# KiCad board Motherboard.kicad_pcb (continued)
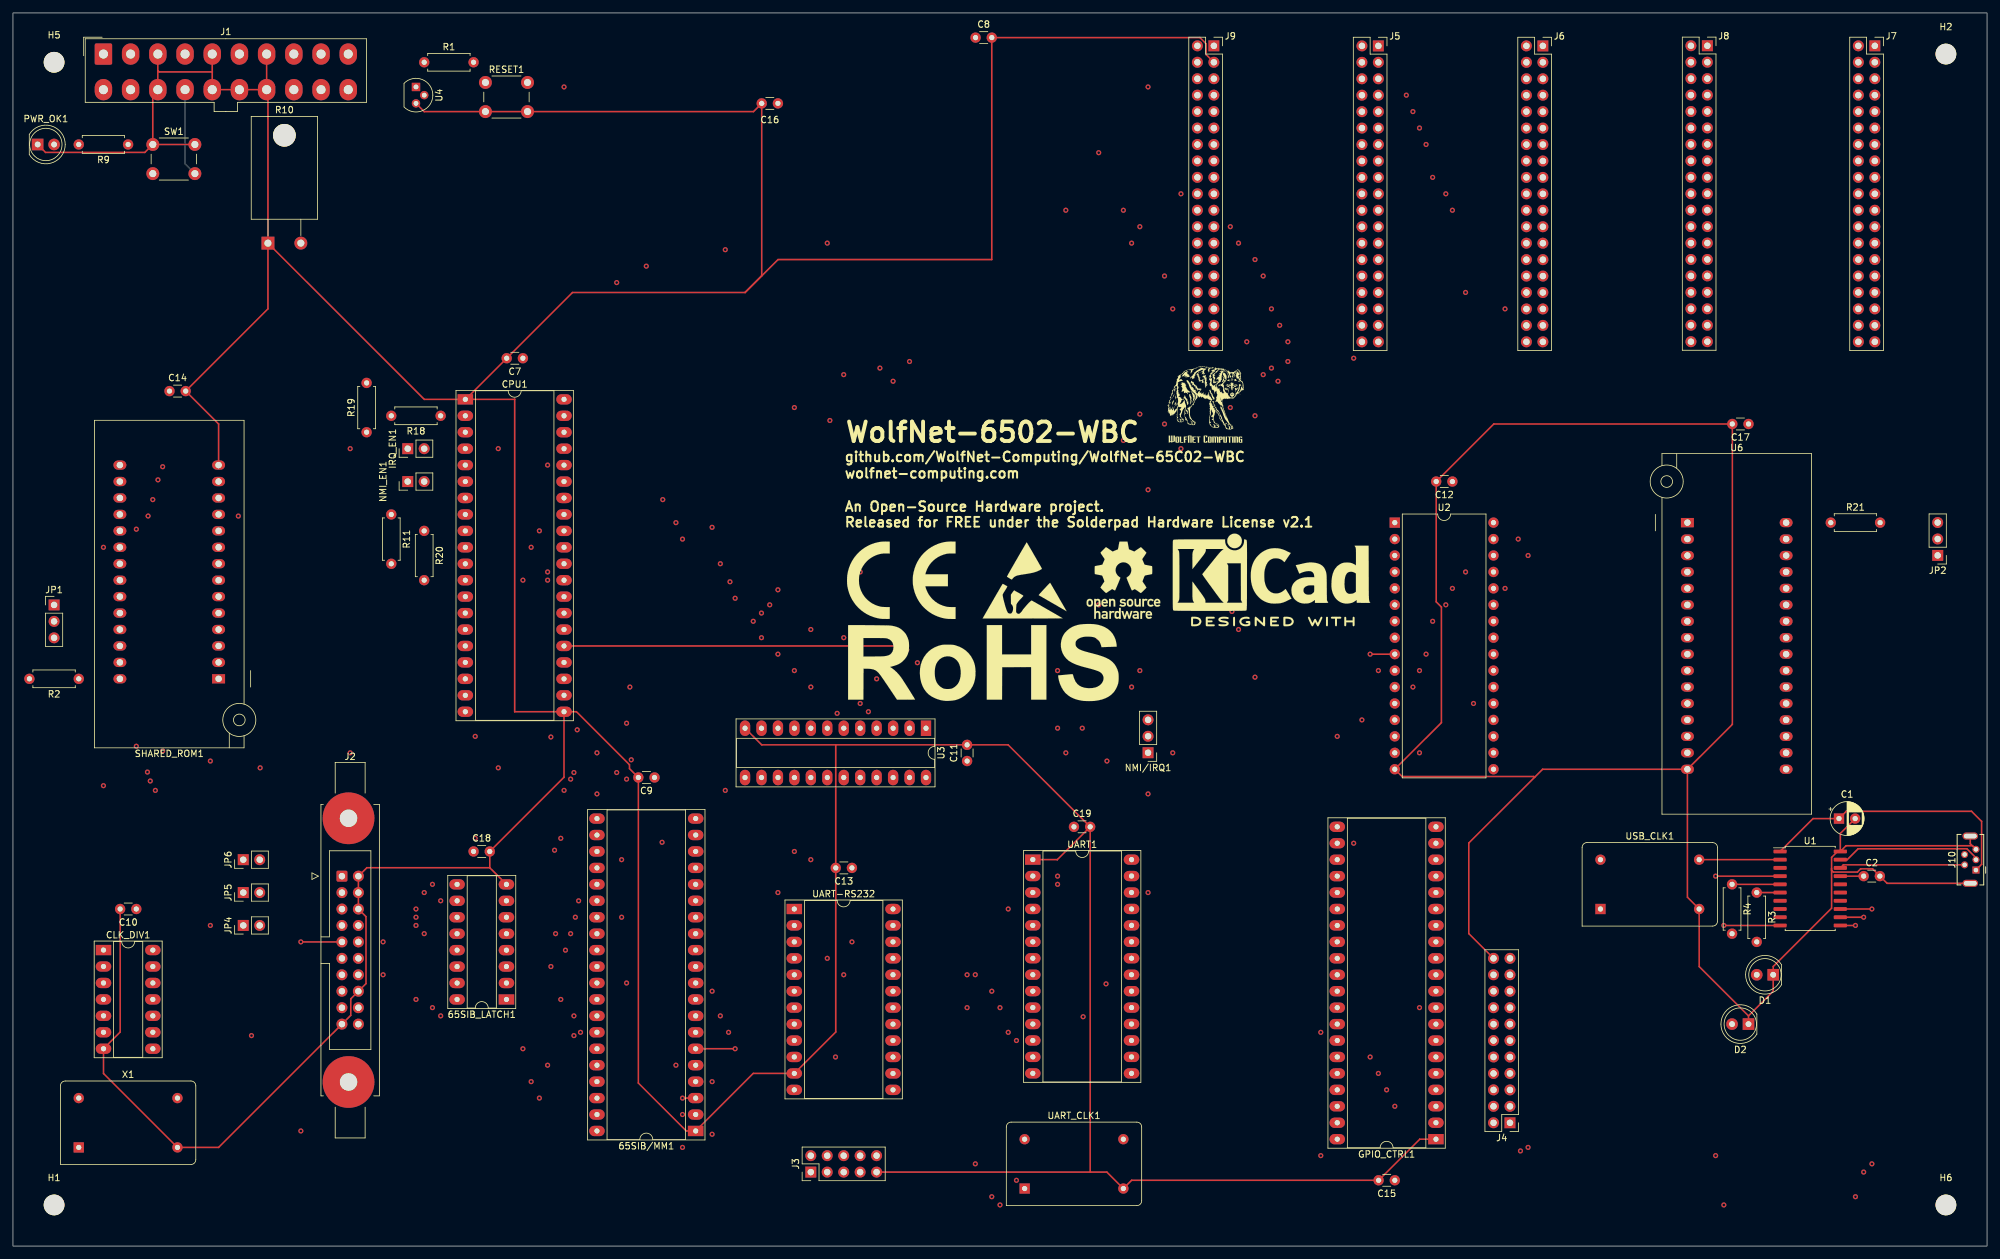
[diagram p0: board, top side]
## Routing (per net, layer and track width the routed paths; a pad name or vN(x,y) marks a point on that pad's centre or on a via; arc(x,y) is an arc through that point) (continued)
ROM3_EN: length 226
  V1.Cu w0.25: v1(109.22,105.41) v1(109.22,35.56)
  H1.Cu w0.25: U6.3 257.27,105.41 215.28,105.41 214.48,106.21 214.48,107.15 213.82,107.8 195.81,107.8 195.41,107.4 111.21,107.4 v1(109.22,105.41) ; v1(109.22,35.56) 65SIB/MM1.8
ROM4_EN: length 226.1
  V1.Cu w0.25: v1(107.95,39.37) 107.95,111.03 v1(107.95,111.04)
  H1.Cu w0.25: U6.2 257.34,110.42 108.56,110.42 v1(107.95,111.04) ; 65SIB/MM1.9 106.68,38.1 v1(107.95,39.37)
Rx_COM: length 236.2
  GND1.Cu w0.25: U1.12 v1(285.75,50.8)
  V1.Cu w0.25: v1(285.75,50.8) v1(285.75,11.43) ; v1(154.94,10.16) v1(154.94,31.75)
  H1.Cu w0.25: v1(154.94,10.16) 156.21,11.43 v1(285.75,11.43) ; v1(154.94,31.75) 154.95,31.76 UART1.12
  H2.Cu w0.25: 120.65,31.75 121.77,30.63 156.34,30.63 UART1.12
Rx_COM_PORT: length 24.7
  V1.Cu w0.25: J3.3 126.9,12.6 126.9,29.11 v1(127,29.21)
  H1.Cu w0.25: v1(127,29.21) UART-RS232.10
SYNC: length 106.2
  V2.Cu w0.25: J7.32 283.68,146.06 260.35,146.06 J8.32 257.8,146.05 234.94,146.05 J6.32 232.42,146.05 209.54,146.05 J5.32 207.02,146.05 184.15,146.05 J9.32
Tx_COM: length 234.1
  GND1.Cu w0.25: U1.10 v1(264.16,49.53)
  V1.Cu w0.25: v1(264.16,49.53) v1(264.16,6.35) ; v1(152.4,6.35) v1(152.4,36.83)
  H1.Cu w0.25: v1(152.4,36.83) 152.4,37.81 152.55,37.95 ; 152.55,37.95 156.36,37.95 UART1.10 ; 152.55,37.95 124.3,37.95 UART-RS232.8 ; v1(264.16,6.35) v1(152.4,6.35)
Tx_COM_PORT: length 45
  V1.Cu w0.25: J3.5 129.54,12.7 v1(129.54,46.99)
  H1.Cu w0.25: v1(129.54,46.99) UART-RS232.3
~{65SIB_IRQ}: length 81.3
  GND1.Cu w0.25: v1(44.45,46.99) 44.45,46.99 J2.9
  V1.Cu w0.25: v1(44.45,46.99) v1(44.45,17.78)
  H1.Cu w0.25: v1(44.45,17.78) 65SIB/MM1.40
~{CONF}: length 64.6
  V1.Cu w0.25: v1(93.98,59.69) v1(93.98,50.8)
  H1.Cu w0.25: J2.1 53.34,59.69 v1(93.98,59.69) ; v1(93.98,50.8) 65SIB/MM1.14
~{CS_65SIB}: length 73.4
  V1.Cu w0.25: U3.17 123.2,59.69 v1(123.19,59.69) ; v1(83.78,48.26) 83.62,48.42 v1(83.62,61.16)
  H1.Cu w0.25: v1(123.19,59.69) 104.69,59.69 103.42,60.96 65SIB/MM1.23 83.82,60.96 v1(83.62,61.16) ; v1(83.78,48.26) 83.78,48.25 65SIB_LATCH1.5
~{CS_GPIO}: length 96.7
  V1.Cu w0.25: U3.16 120.66,60.97 v1(120.65,60.96)
  H1.Cu w0.25: GPIO_CTRL1.23 203.36,58.58 130.97,58.58 128.59,60.96 v1(120.65,60.96)
~{CS_RAM}: length 108.8
  V1.Cu w0.25: v1(225.51,83.82) 226.05,83.82 U2.22 ; U3.20 132.08,73.65 v1(132.08,82.55)
  H1.Cu w0.25: v1(132.08,82.55) 224.24,82.55 v1(225.51,83.82)
~{CS_SHARED}: length 151.9
  V1.Cu w0.25: v1(13.97,71.12) v1(13.97,107.95)
  H1.Cu w0.25: v1(13.97,71.12) 111.76,71.12 112.02,70.86 124.21,70.86 U3.18 ; v1(13.97,107.95) SHARED_ROM1.20
~{CS_UART}: length 84
  V1.Cu w0.25: 118.11,72.38 118.11,54.62 v1(118.11,54.61)
  H1.Cu w0.25: v1(118.11,54.61) 118.12,54.62 UART1.3 144.76,41.91 UART-RS232.20
~{CTS_COM_PORT}: length 35.6
  V1.Cu w0.25: J3.6 128.26,41.91 v1(128.27,41.91)
  H1.Cu w0.25: v1(128.27,41.91) UART-RS232.5
~{CTS_COM}: length 253.4
  GND1.Cu w0.25: v1(284.48,49.53) U1.11
  V1.Cu w0.25: v1(151.13,39.37) v1(151.13,7.62) ; v1(284.48,7.62) v1(284.48,49.53)
  H1.Cu w0.25: v1(151.13,7.62) v1(284.48,7.62) ; v1(151.13,39.37) 151.14,39.38 UART1.9 156.36,40.49 121.76,40.49 UART-RS232.6
~{IRQ_DECIDE}: length 43.2
  V1.Cu w0.25: GPIO_CTRL1.21 v1(204.47,78.74)
  H1.Cu w0.25: v1(204.47,78.74) 204.45,78.75 NMI/IRQ1.2
~{IRQ}: length 396
  V1.Cu w0.25: v1(179.07,76.2) v1(179.07,144.78) ; v1(90.17,76.2) 65SIB/MM1.21 ; v1(175.26,54.61) NMI/IRQ1.1 ; v1(52.07,123.19) v1(52.07,76.2)
  H1.Cu w0.25: v1(179.07,144.78) J9.34 ; UART1.26 175.25,54.62 v1(175.26,54.61) ; v1(52.07,123.19) 52.08,123.19 IRQ_EN1.1 ; v1(179.07,76.2) 179.05,76.22 NMI/IRQ1.1 ; v1(52.07,76.2) v1(90.17,76.2) ; v1(175.26,69.85) 175.08,69.67 90.35,69.67 v1(90.17,69.85)
  V2.Cu w0.25: J9.34 184.05,143.61 207.12,143.61 J5.34 209.65,143.4 232.31,143.4 J6.34 234.94,143.51 257.8,143.51 J8.34 260.35,143.53 283.68,143.53 J7.34
~{NMI}: length 151.1
  V1.Cu w0.25: NMI/IRQ1.3 v1(175.26,116.84)
  H1.Cu w0.25: NMI_EN1.1 60.95,116.84 60.96,116.84 v1(175.26,116.84)
~{OE}: length 295.6
  V1.Cu w0.25: v1(139.65,90.12) 139.65,76.13 U3.22
  H1.Cu w0.25: U2.24 228.59,90.18 228.54,90.12 v1(139.65,90.12)
  V2.Cu w0.25: U3.22 135.89,67.31 135.89,67.31 106.13,67.31 86.61,86.83 86.61,88.09 85.95,88.75 83.97,88.75 81.28,91.44 27.66,91.44 16.51,102.59
  H2.Cu w0.25: U2.24 229.86,90.17 272.51,90.17 U6.24
~{RESET}: length 661.7
  GND1.Cu w0.25: U1.4 v1(262.89,57.15)
  V1.Cu w0.25: v1(87.63,33.02) 88.06,33.45 88.06,111.33 86.61,112.78 86.61,129.28 85.09,130.81 85.09,179.06 v1(85.09,179.07) ; J9.18 175.26,172.72 v1(175.26,179.07) ; v1(201.93,33.02) v1(201.93,13.97) ; v1(262.89,57.15) v1(262.89,13.97)
  H1.Cu w0.25: 70.97,179.76 84.4,179.76 v1(85.09,179.07) v1(175.26,179.07) ; 70.97,179.76 71.12,179.91 R1.2 ; 70.97,179.76 62.92,179.76 U4.1 ; v1(153.67,33.02) 203.6,33.02 204.47,32.15 ; 65SIB/MM1.34 v1(87.63,33.02) ; v1(201.93,13.97) v1(262.89,13.97)
  V2.Cu w0.25: v1(153.67,52.07) 153.68,52.08 UART1.4 ; v1(153.67,33.02) 119.92,33.02 118.8,31.9 91.29,31.9 65SIB/MM1.34 ; J9.18 184.15,163.83 207.02,163.83 J5.18 209.54,163.83 232.42,163.83 J6.18 234.94,163.83 257.8,163.83 J8.18 260.35,163.84 283.68,163.84 J7.18
  H2.Cu w0.25: v1(153.67,33.02) v1(153.67,52.07)
~{RTS_COM_PORT}: length 35.6
  V1.Cu w0.25: v1(125.73,44.45) 125.73,44.44 J3.4
  H1.Cu w0.25: UART-RS232.4 v1(125.73,44.45)
~{RTS_COM}: length 254.7
  GND1.Cu w0.25: U1.13 v1(287.02,52.07)
  V1.Cu w0.25: v1(148.58,41.92) 148.59,41.91 v1(148.59,12.7) ; v1(287.02,52.07) v1(287.02,12.7) ; v1(147.32,36.83) v1(147.32,41.91)
  H1.Cu w0.25: v1(148.59,12.7) v1(287.02,12.7) ; UART1.8 147.33,41.92 v1(147.32,41.91)
  H2.Cu w0.25: v1(147.32,36.83) 146.2,35.71 121.77,35.71 120.65,36.83
~{SEL1}: length 18.3
  H1.Cu w0.25: 65SIB_LATCH1.14 52.06,43.18 50.8,44.44
~{SEL2}: length 15.8
  V2.Cu w0.25: 65SIB_LATCH1.13 67.31,44.44 53.34,44.44
~{SEL3}: length 21.6
  V1.Cu w0.25: v1(57.15,46.99) v1(57.15,41.91)
  H1.Cu w0.25: v1(57.15,41.91) 57.14,41.91 J2.14 ; v1(57.15,46.99) 68.57,46.99 68.58,47 65SIB_LATCH1.12
~{SEL4}: length 30.3
  V1.Cu w0.25: v1(62.23,38.1) v1(62.23,49.53)
  H1.Cu w0.25: v1(62.23,49.53) 63.5,50.8 68.58,50.8 ; v1(62.23,38.1) 52.06,38.1 J2.15
~{SEL5}: length 36.1
  V1.Cu w0.25: v1(66.04,53.34) v1(66.04,35.56)
  H1.Cu w0.25: v1(66.04,35.56) 52.06,35.56 J2.17 ; 65SIB_LATCH1.10 66.05,53.34 v1(66.04,53.34)
~{SEL6}: length 34.3
  V1.Cu w0.25: v1(64.77,36.83) v1(64.77,55.88)
  H1.Cu w0.25: v1(64.77,55.88) 64.78,55.88 65SIB_LATCH1.9
  H2.Cu w0.25: J2.18 64.77,36.83 v1(64.77,36.83)
~{SEL7}: length 33.4
  V2.Cu w0.25: 65SIB_LATCH1.7 72.53,49.67 72.53,45.14 69.44,42.05 61.1,42.05 J2.20
~{WE}: length 70.4
  H2.Cu w0.25: JP2.1 295.89,105.41 228.59,105.41 U2.29
Net-(65SIB/MM1-PB0): length 31.2
  H1.Cu w0.25: 65SIB_LATCH1.1 79.86,41.76 104.29,41.76 65SIB/MM1.10
Net-(65SIB/MM1-PB1): length 31.2
  H1.Cu w0.25: 65SIB/MM1.11 104.29,44.3 79.86,44.3 76.2,40.64
Net-(65SIB/MM1-PB2): length 31.2
  H1.Cu w0.25: 65SIB_LATCH1.3 79.86,46.84 104.29,46.84 65SIB/MM1.12
Net-(65SIB/MM1-PB3): length 31.2
  H1.Cu w0.25: 65SIB_LATCH1.4 78.02,47.54 84.12,47.54 85.97,49.38 104.29,49.38 65SIB/MM1.13
Net-(CLK_DIV1A-D): length 19.4
  H2.Cu w0.25: CLK_DIV1.6 16.52,33.03 CLK_DIV1.11 16.52,43.19 CLK_DIV1.2
Net-(CLK_DIV1B-D): length 11.4
  V1.Cu w0.25: CLK_DIV1.8 20.08,32.01 20.08,39.12 CLK_DIV1.12
Net-(CPU1-BE): length 44.6
  V1.Cu w0.25: v1(82.55,104.14) v1(82.55,120.65)
  H1.Cu w0.25: v1(82.55,120.65) 82.56,120.65 85.09,120.65 ; R11.2 59.54,106.53 80.16,106.53 v1(82.55,104.14)
Net-(CPU1-~{IRQ}): length 17.8
  H1.Cu w0.25: R19.1 63.5,125.73 IRQ_EN1.2 CPU1.4
Net-(CPU1-~{NMI}): length 14
  V1.Cu w0.25: NMI_EN1.2 R20.1
  H1.Cu w0.25: NMI_EN1.2 CPU1.6
Net-(D1-A): length 5.1
  V1.Cu w0.25: R3.2 D1.2
Net-(D2-A): length 14
  V1.Cu w0.25: R4.2 D2.2
Net-(J1-PS_ON#): length 20.1
  H1.Cu w0.25: SW1.2 SW1.2
  GND2.Cu w0.25: J1.14 26.57,167.2 SW1.2
Net-(J1-PWR_OK): length 49.9
  H1.Cu w0.25: R9.1 12.3,175.66 12.3,185.79 12.63,186.12 41.4,186.12 J1.8
Net-(J10-D+): length 22.2
  GND1.Cu w0.25: U1.19 283.21,59.69 284.88,61.36 301.7,61.36 303.08,59.98
Net-(J10-D-): length 19.4
  GND1.Cu w0.25: J10.2 282.62,58.89 U1.18
Net-(J10-VBUS): length 42.2
  GND1.Cu w0.25: J10.1 303.96,58.96 303.96,65.61 302.41,67.16 283.06,67.16 C1.1 277.93,66.04 U1.1
Net-(JP1-B): length 7.9
  H1.Cu w0.25: JP1.3 6.35,91.44 R2.2
Net-(JP1-C): length 12.8
  H1.Cu w0.25: SHARED_ROM1.27 10.18,96.51 JP1.2
Net-(JP2-B): length 8.9
  H1.Cu w0.25: R21.2 297.16,111.76
Net-(JP2-C): length 23.4
  H1.Cu w0.25: JP2.2 273.79,109.23
Net-(PWR_OK1-A): length 3.8
  H1.Cu w0.25: R9.2 PWR_OK1.2
Net-(U1-GP6/RxLED): length 3.6
  GND1.Cu w0.25: R3.1 U1.6
Net-(U1-GP7/TxLED): length 7.4
  GND1.Cu w0.25: U1.5 R4.1
Net-(U1-OSC1): length 12.5
  GND1.Cu w0.25: U1.2 USB_CLK1.8
Net-(U1-V_USB): length 3.6
  GND1.Cu w0.25: U1.17 C2.1

## Text on the board
F.Silkscreen: github.com/WolfNet-Computing/WolfNet-65C02-WBC | wolfnet-computing.com | An Open-Source Hardware project. / Released for FREE under the Solderpad Hardware License v2.1 | WolfNet-6502-WBC
